# Allegro board WNS_FDM_2V1-1221P2.brd
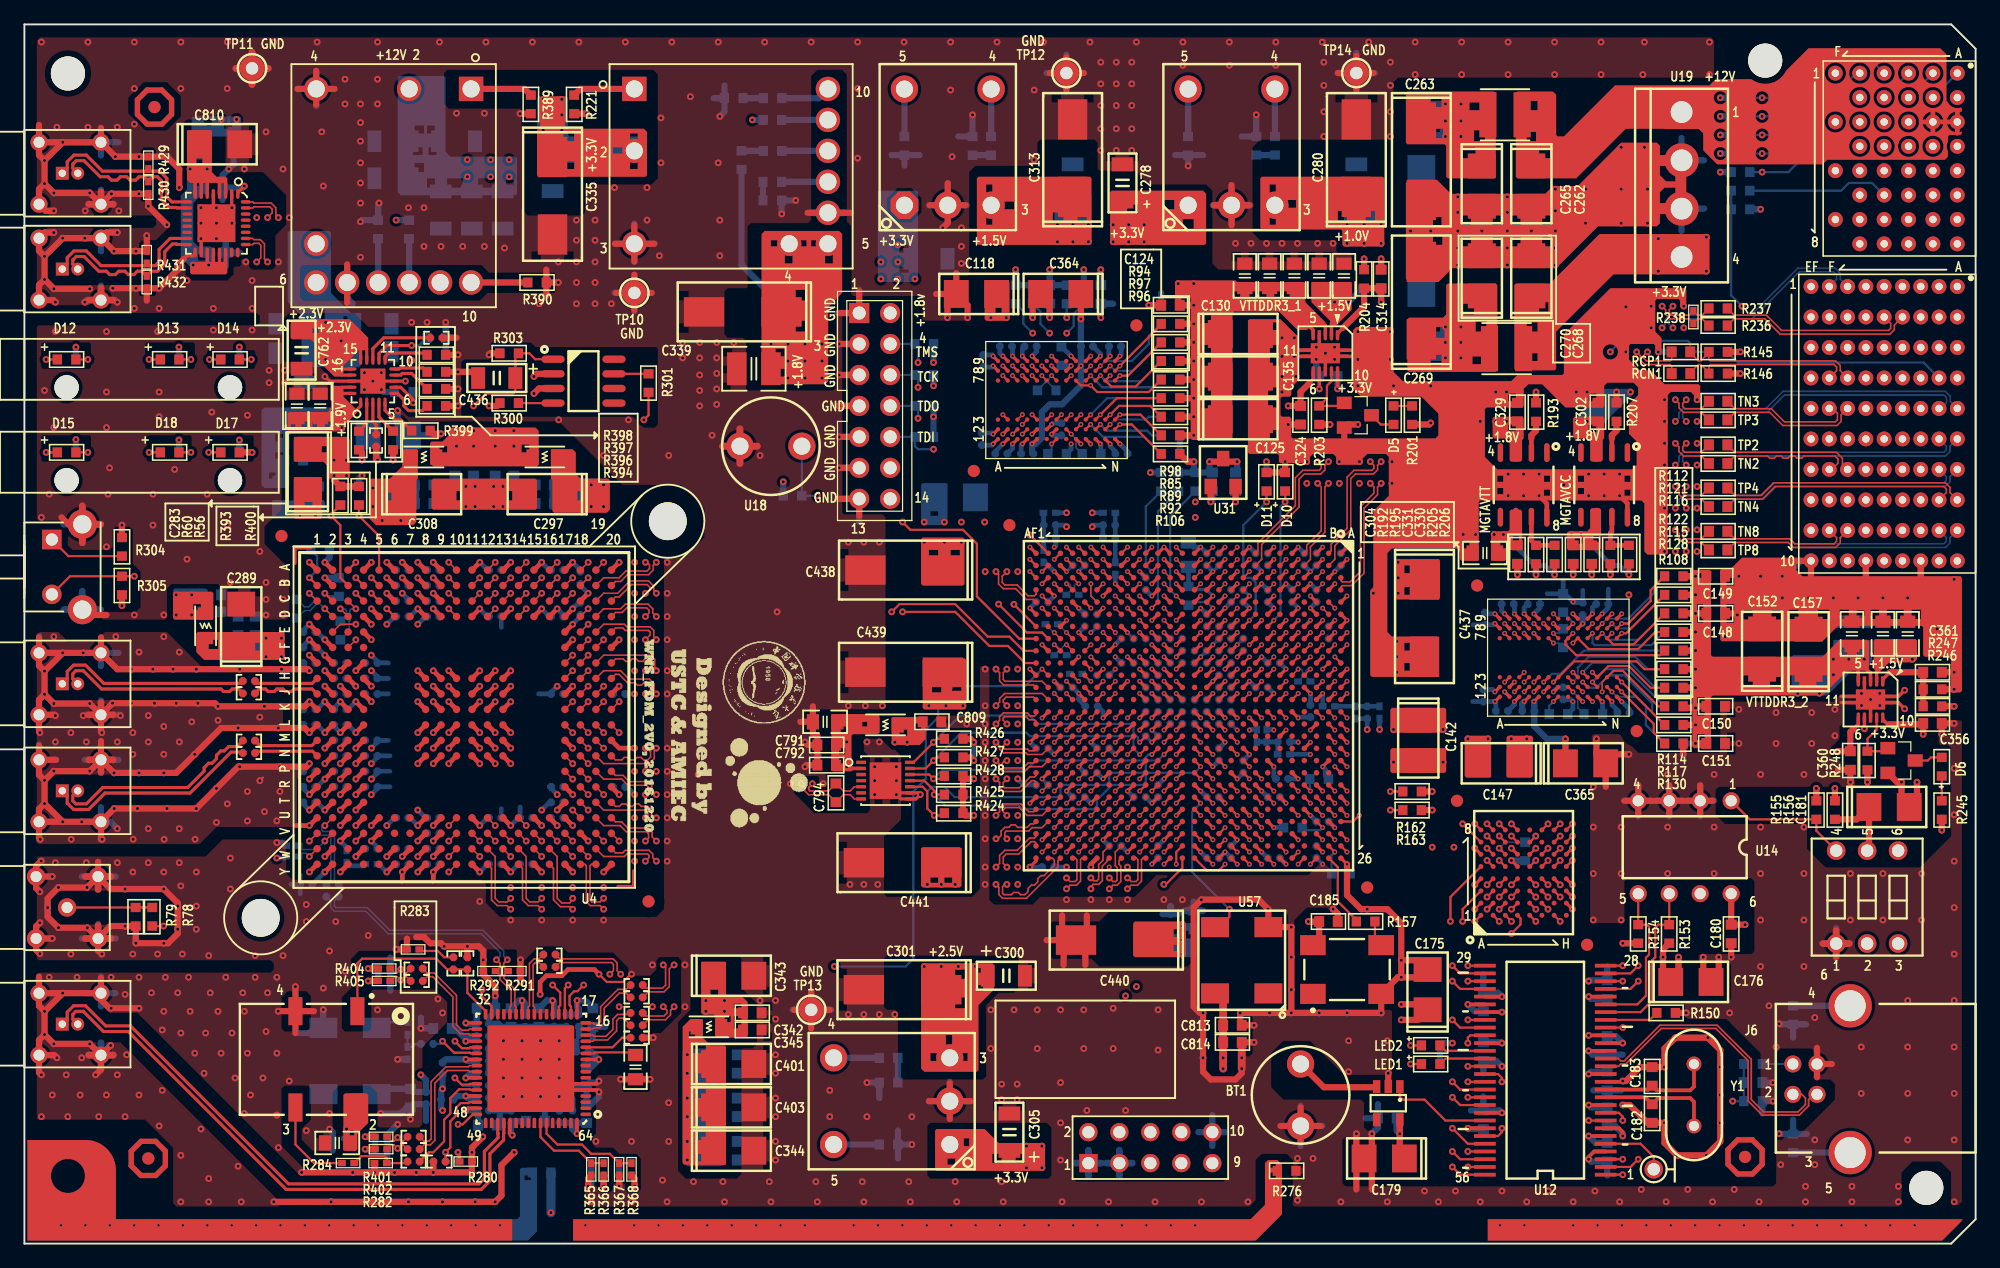
[diagram p0: board, top side]
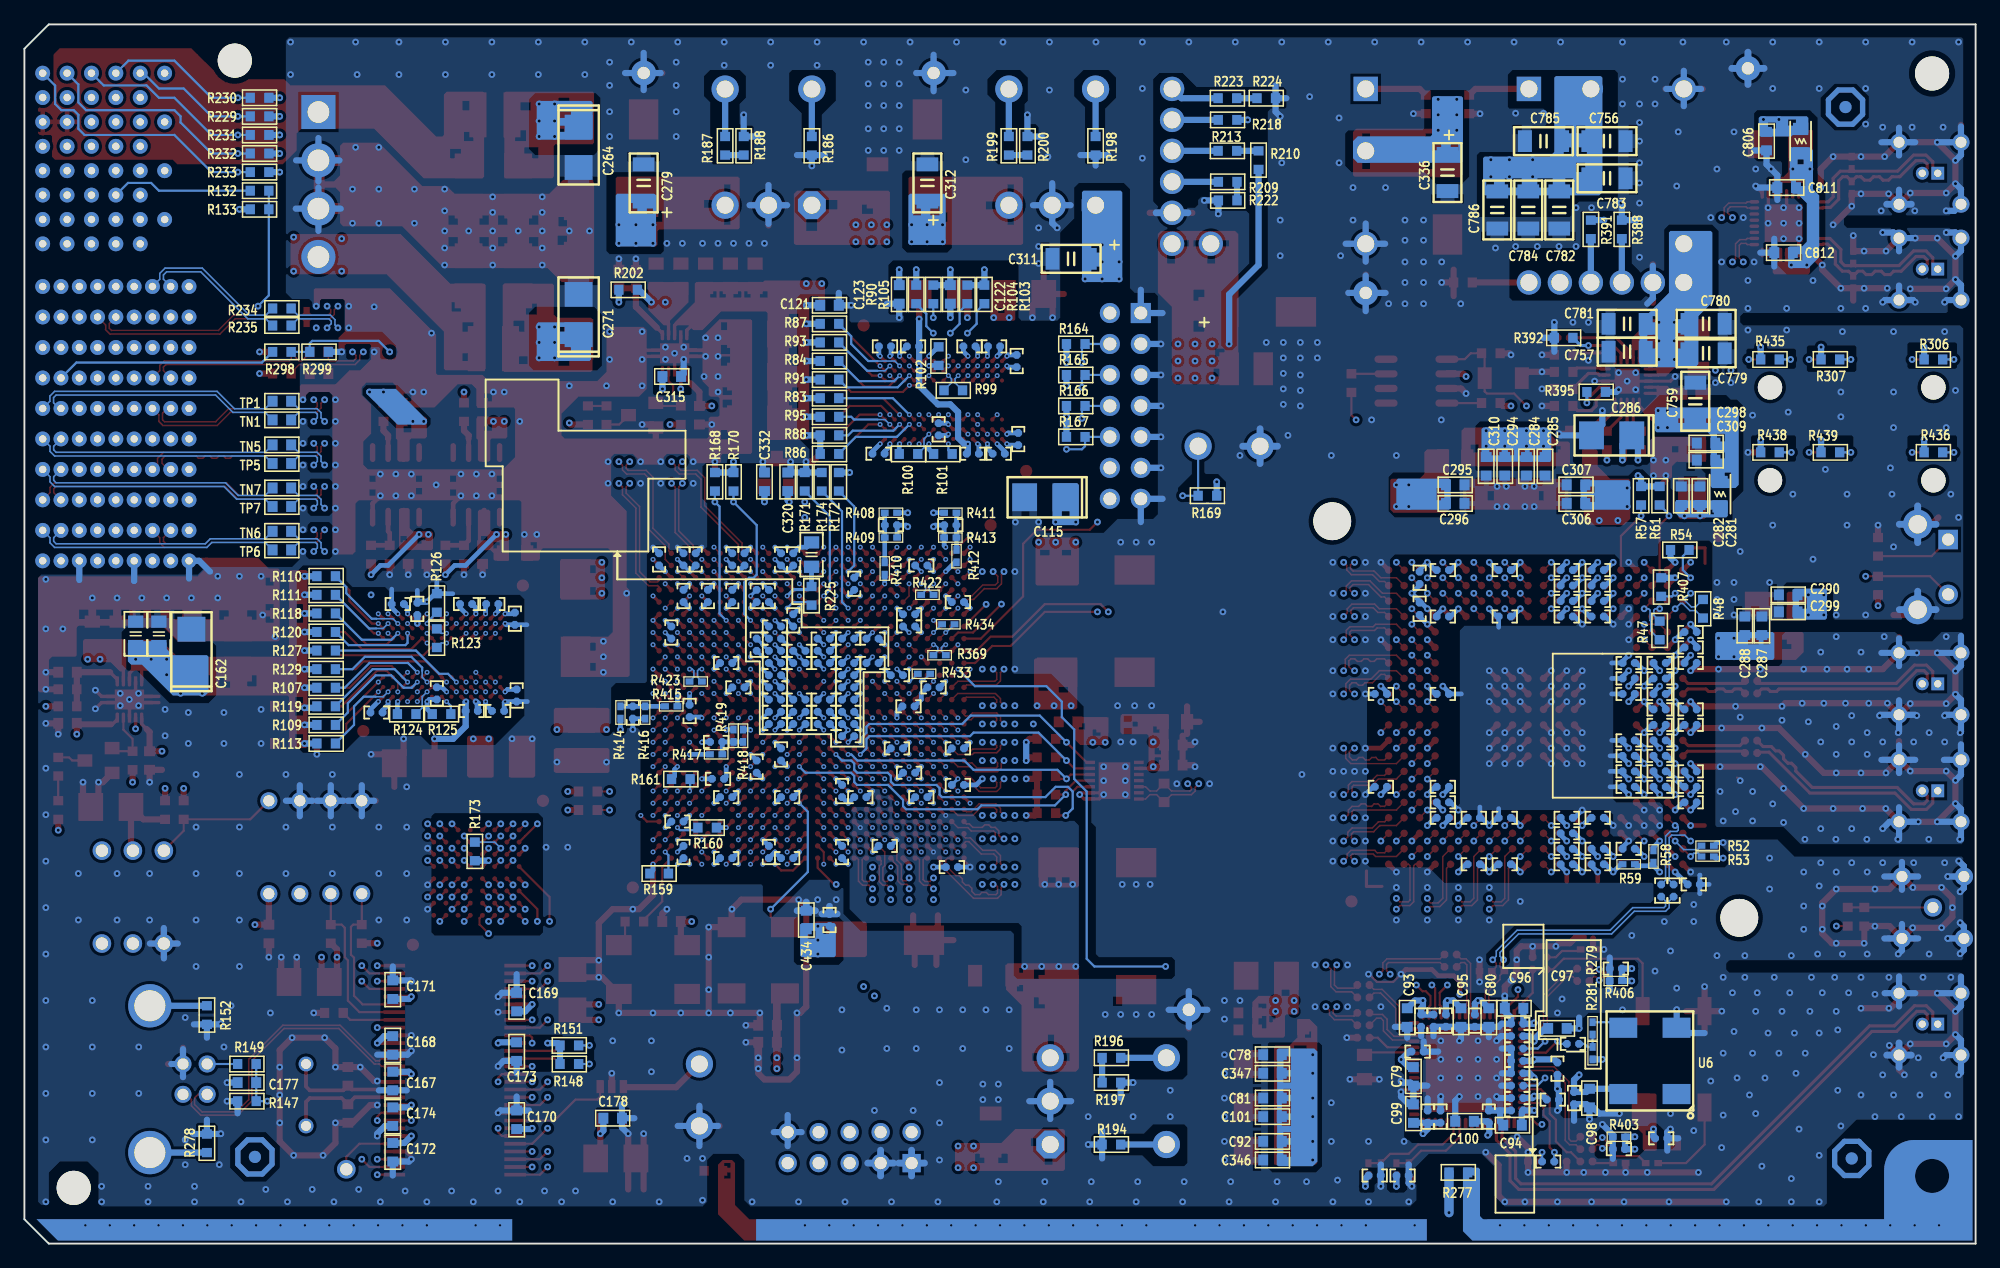
[diagram p1: board, bottom side, seen from below]

Outline 160 x 100 mm; copper layers: TOP, GND02, ART03, GND04, POWER05, POWER06, GND07, ART08, GND09, ART10, GND11, BOTTOM. Coordinates in mm from the lower left corner of the outline.
Outline path: 0,100 0,0 158,0 160,2 160,98 158,100 0,100

## Design rules (mm)
net group ADC_DQ: nets DQD_N0 DQD_P0
net group BANK16_DDR3_CLK+: nets BANK16_DDR3_CLK+ N18197770
net group BANK16_DDR3_CLK-: nets BANK16_DDR3_CLK- N18197765
net group BANK34_DDR3_CLK+: nets BANK34_DDR3_CLK+ N18197699
net group BANK34_DDR3_CLK-: nets BANK34_DDR3_CLK- N18197694
net group CLK+: nets CLK+ DCLKOUT6+
net group CLK-: nets CLK- DCLKOUT6-
net group DCLK_RST_DIFF: nets N2480027 N2480033
net group DCLKOUT4+: nets DCLKOUT4+ FPGA_CLK3+
net group DCLKOUT4-: nets DCLKOUT4- FPGA_CLK3-
net group DDR3_1_DATA: nets DDR3_1_DQSN DDR3_1_DQSP
net group DDR3_2_ADD: nets DDR3_2_CKN DDR3_2_CKP
net group DDR3_2_DATA: nets DDR3_2_DQSN DDR3_2_DQSP
net group DIFFPAIR4: nets ADC_TDIODE+ ADC_TDIODE-
net group DIFFPAIR5: nets CLK100_OUT+ CLK100_OUT-
net group DIFFPAIR6: nets PPS+ PPS-
net group DIFFPAIR7: nets SYNC_CLK_125M+ SYNC_CLK_125M-
net group DIFFPAIR8: nets N18454595 N18454598
net group DIFFPAIR9: nets N18454783 N18454786
net group DP2: nets N16810555 N16810557
net group FPGA_PETN0: nets FPGA_PETN0 PETN0
net group FPGA_PETN1: nets FPGA_PETN1 PETN1
net group FPGA_PETN2: nets FPGA_PETN2 PETN2
net group FPGA_PETN3: nets FPGA_PETN3 PETN3
net group FPGA_PETN4: nets FPGA_PETN4 PETN4
net group FPGA_PETN5: nets FPGA_PETN5 PETN5
net group FPGA_PETN6: nets FPGA_PETN6 PETN6
net group FPGA_PETN7: nets FPGA_PETN7 PETN7
net group FPGA_PETP0: nets FPGA_PETP0 PETP0
net group FPGA_PETP1: nets FPGA_PETP1 PETP1
net group FPGA_PETP2: nets FPGA_PETP2 PETP2
net group FPGA_PETP3: nets FPGA_PETP3 PETP3
net group FPGA_PETP4: nets FPGA_PETP4 PETP4
net group FPGA_PETP5: nets FPGA_PETP5 PETP5
net group FPGA_PETP6: nets FPGA_PETP6 PETP6
net group FPGA_PETP7: nets FPGA_PETP7 PETP7
net group FPGA_PXIE_DSTARB+: nets FPGA_PXIE_DSTARB+ PXIE_DSTARB+
net group FPGA_PXIE_DSTARB-: nets FPGA_PXIE_DSTARB- PXIE_DSTARB-
net group FPGA_PXIE_DSTARC+: nets FPGA_PXIE_DSTARC+ PXIE_DSTARC+
net group FPGA_PXIE_DSTARC-: nets FPGA_PXIE_DSTARC- PXIE_DSTARC-
net group FPGA_REFCLK+: nets FPGA_REFCLK+ REFCLK+
net group FPGA_REFCLK-: nets FPGA_REFCLK- REFCLK-
net group LMK04821_CLKIN1+: nets LMK04821_CLKIN1+ PXIE_CLK100+
net group LMK04821_CLKIN1-: nets LMK04821_CLKIN1- PXIE_CLK100-
net group LMK04821_CLKIN2+: nets LMK04821_CLKIN2+ PXIE_DSTARA+
net group LMK04821_CLKIN2-: nets LMK04821_CLKIN2- PXIE_DSTARA-
net group ORI: nets ORI_N ORI_P
net group ORQ: nets ORQ_N ORQ_P
net group REXT: nets N2479949 N2479955
net group RTRIM: nets N2479965 N2479971
net group VINI+: nets N18121616 VINI+
net group VINI-: nets N18121619 VINI-
net group VINQ+: nets N18121631 VINQ+
net group VINQ-: nets N18121634 VINQ-
net group ADC: nets DCLKI_N DCLKI_P DCLKQ_N DCLKQ_P DI_N0 DI_N1 DI_N2 DI_N3 DI_N4 DI_N5 DI_N6 DI_N7 DI_N8 DI_N9 DI_N10 DI_N11 DI_P0 DI_P1 DI_P2 DI_P3 DI_P4 DI_P5 DI_P6 DI_P7 DI_P8 DI_P9 DI_P10 DI_P11 DID_N0 DID_N1 DID_N2 DID_N3 DID_N4 DID_N5 DID_N6 DID_N7 DID_N8 DID_N9 DID_N10 DID_N11 DID_P0 DID_P1 DID_P2 DID_P3 DID_P4 DID_P5 DID_P6 DID_P7 DID_P8 DID_P9 DID_P10 DID_P11 DQ_N0 DQ_N1 DQ_N2 DQ_N3 DQ_N4 DQ_N5 DQ_N6 DQ_N7 DQ_N8 DQ_N9 DQ_N10 DQ_N11 DQ_P0 DQ_P1 DQ_P2 DQ_P3 DQ_P4 DQ_P5 DQ_P6 DQ_P7 DQ_P8 DQ_P9 DQ_P10 DQ_P11 DQD_N1 DQD_N2 DQD_N3 DQD_N4 DQD_N5 DQD_N6 DQD_N7 DQD_N8 DQD_N9 DQD_N10 DQD_N11 DQD_P1 DQD_P2 DQD_P3 DQD_P4 DQD_P5 DQD_P6 DQD_P7 DQD_P8 DQD_P9 DQD_P10 DQD_P11
net group PXIE: nets FPGA_PERN0 FPGA_PERN1 FPGA_PERN2 FPGA_PERN3 FPGA_PERN4 FPGA_PERN5 FPGA_PERN6 FPGA_PERN7 FPGA_PERP0 FPGA_PERP1 FPGA_PERP2 FPGA_PERP3 FPGA_PERP4 FPGA_PERP5 FPGA_PERP6 FPGA_PERP7

## Placement (name value [footprint] x y rotation side)
BT1  Button  [INDC2-200-M]  104.65 12.19 270 top
C18  0.1uF  [SC0402]  28.45 45.09 0 bottom
C19  0.1uF  [SC0402]  23.37 43.81 180 bottom
C20  0.1uF  [SC0402]  23.37 42.55 180 bottom
C21  0.1uF  [SC0402]  28.45 41.27 0 bottom
C22  0.1uF  [SC0402]  23.37 50.16 0 bottom
C23  0.1uF  [SC0402]  23.11 29.46 180 bottom
C24  0.1uF  [SC0402]  30.99 32.38 0 bottom
C25  0.1uF  [SC0402]  33.53 51.44 180 bottom
C26  0.1uF  [SC0402]  30.99 55.24 0 bottom
C27  0.1uF  [SC0402]  30.99 51.44 180 bottom
C28  0.1uF  [SC0402]  28.45 46.35 0 bottom
C29  0.1uF  [SC0402]  30.99 31.11 0 bottom
C30  0.1uF  [SC0402]  23.37 37.47 0 bottom
C31  0.1uF  [SC0402]  25.91 41.27 180 bottom
C32  0.1uF  [SC0402]  25.91 45.09 180 bottom
C33  0.1uF  [SC0402]  28.45 37.47 0 bottom
C34  0.1uF  [SC0402]  25.91 37.47 180 bottom
C35  0.1uF  [SC0402]  25.91 38.73 180 bottom
C36  0.1uF  [SC0402]  25.91 46.35 0 bottom
C37  0.1uF  [SC0402]  25.91 42.55 0 bottom
C38  0.1uF  [SC0402]  23.37 48.9 0 bottom
C39  0.1uF  [SC0402]  28.45 32.38 0 bottom
C40  0.1uF  [SC0402]  30.99 52.7 0 bottom
C41  0.1uF  [SC0402]  30.99 34.92 180 bottom
C42  0.1uF  [SC0402]  30.99 53.98 0 bottom
C43  0.1uF  [SC0402]  23.37 36.2 0 bottom
C44  0.1uF  [SC0402]  28.45 38.73 0 bottom
C45  0.1uF  [SC0402]  28.45 40.01 0 bottom
C46  0.1uF  [SC0402]  33.53 34.92 180 bottom
C47  0.1uF  [SC0402]  43.69 55.24 0 bottom
C48  0.1uF  [SC0402]  45.59 52.07 270 bottom
C49  0.1uF  [SC0402]  45.59 54.61 90 bottom
C50  0.1uF  [SC0402]  43.69 45.09 180 bottom
C51  0.1uF  [SC0402]  41.15 31.11 180 bottom
C52  0.1uF  [SC0402]  43.69 37.47 180 bottom
C53  0.1uF  [SC0402]  38.61 31.11 0 bottom
C54  0.1uF  [SC0402]  28.45 47.62 0 bottom
C55  0.1uF  [SC0402]  23.37 38.73 180 bottom
C56  0.1uF  [SC0402]  25.91 40.01 0 bottom
C57  0.1uF  [SC0402]  25.91 43.81 0 bottom
C58  0.1uF  [SC0402]  25.91 47.62 180 bottom
C59  0.1uF  [SC0402]  43.69 51.44 0 bottom
C60  0.1uF  [SC0402]  23.37 47.62 180 bottom
C61  0.1uF  [SC0402]  38.61 55.24 0 bottom
C62  0.1uF  [SC0402]  48.77 37.47 0 bottom
C63  0.1uF  [SC0402]  43.69 36.2 180 bottom
C64  0.1uF  [SC0402]  41.15 34.92 180 bottom
C65  0.1uF  [SC0402]  43.69 34.92 0 bottom
C66  0.1uF  [SC0402]  38.61 34.92 0 bottom
C67  0.1uF  [SC0402]  38.61 51.44 0 bottom
C68  0.1uF  [SC0402]  48.77 45.09 0 bottom
C69  0.1uF  [SC0402]  33.53 52.7 0 bottom
C70  0.1uF  [SC0402]  33.53 53.98 180 bottom
C71  0.1uF  [SC0402]  33.53 55.24 0 bottom
C72  0.1uF  [SC0402]  33.53 33.66 0 bottom
C73  0.1uF  [SC0402]  33.53 32.38 180 bottom
C74  0.1uF  [SC0402]  33.53 31.11 0 bottom
C75  1uF  [SC0402]  45.76 15.75 180 bottom
C76  0.01uF  [SC0402]  34.67 11.81 180 bottom
C78  1uF  [SC0603]  57.66 15.49 0 bottom
C79  100pF  [SC0603]  46.1 13.72 270 bottom
C80  0.1uF  [SC0603]  39.92 18.54 270 bottom
C81  1uF  [SC0603]  57.66 11.94 0 bottom
C82  0.01uF  [SC0402]  34.29 14.35 270 bottom
C92  100pF  [SC0603]  57.66 8.38 180 bottom
C93  100pF  [SC0603]  46.61 18.54 90 bottom
C94  100pF  [SC0603]  37.97 9.72 180 bottom
C95  100pF  [SC0603]  42.2 18.54 90 bottom
C96  100pF  [SC0603]  37.85 19.3 180 bottom
C97  100pF  [SC0603]  34.29 17.65 0 bottom
C98  100pF  [SC0603]  31.66 11.94 90 bottom
C99  100pF  [SC0603]  46.1 10.67 270 bottom
C100  100pF  [SC0603]  41.91 10.03 180 bottom
C101  100pF  [SC0603]  57.66 10.41 180 bottom
C111  0.1uF  [SC0402]  78.63 72.39 90 bottom
C112  0.1uF  [SC0402]  80.49 73.59 180 bottom
C113  0.1uF  [SC0402]  82.51 73.59 0 bottom
C114  0.1uF  [SC0402]  89.43 73.59 180 bottom
C115  10uF  [STC3528]  76.33 61.21 0 bottom
C116  0.1uF  [SC0402]  78.5 65.99 90 bottom
C117  0.1uF  [SC0402]  85.03 66.79 270 bottom
C118  10uF  [STC3528]  78.07 77.89 180 top
C119  0.1uF  [SC0402]  80.1 64.79 0 bottom
C120  0.1uF  [SC0402]  89.96 64.79 180 bottom
C121  0.1uF  [SC0603]  93.98 76.96 0 bottom
C122  0.1uF  [SC0603]  84.07 77.85 90 bottom
C123  0.1uF  [SC0603]  88.27 77.85 90 bottom
C124  0.1uF  [SC0603]  93.98 76.96 0 top
C125  10uF  [STC3528]  99.71 67.62 0 top
C130  10uF  [STC3528]  99.71 74.61 0 top
C135  10uF  [STC3528]  99.71 71.11 0 top
C136  0.1uF  [SC0402]  87.13 73.59 180 bottom
C137  0.1uF  [SC0402]  82.23 64.79 0 bottom
C138  0.1uF  [SC0402]  123.78 52.46 0 bottom
C139  0.1uF  [SC0402]  119.63 44.96 90 bottom
C140  0.1uF  [SC0402]  119.78 51.26 90 bottom
C141  0.1uF  [SC0402]  121.16 43.69 0 bottom
C142  10uF  [STC3528]  114.3 41.27 270 top
C143  0.1uF  [SC0402]  131.13 43.56 180 bottom
C144  0.1uF  [SC0402]  121.63 52.46 180 bottom
C145  0.1uF  [SC0402]  126.18 45.13 90 bottom
C146  0.1uF  [SC0402]  129.38 52.46 180 bottom
C147  10uF  [STC3528]  120.9 39.4 180 top
C148  0.1uF  [SC0603]  138.68 51.69 180 top
C149  0.1uF  [SC0603]  138.68 54.74 180 top
C150  0.1uF  [SC0603]  138.68 44.07 180 top
C151  0.1uF  [SC0603]  138.68 41.02 180 top
C152  10uF  [STC3528]  142.49 48.77 90 top
C157  10uF  [STC3528]  146.3 48.74 90 top
C162  10uF  [STC3528]  146.3 48.74 90 bottom
C163  0.1uF  [SC0402]  127.78 52.06 270 bottom
C164  0.1uF  [SC0402]  123.32 43.69 0 bottom
C167  0.1uF  [SC0603]  129.79 13.34 270 bottom
C168  0.1uF  [SC0603]  129.79 16.26 270 bottom
C169  0.1uF  [SC0603]  119.63 19.81 90 bottom
C170  0.1uF  [SC0603]  119.63 10.16 90 bottom
C171  0.1uF  [SC0603]  129.79 20.83 90 bottom
C172  0.1uF  [SC0603]  129.79 7.49 270 bottom
C173  0.1uF  [SC0603]  119.63 15.75 270 bottom
C174  0.1uF  [SC0603]  129.79 10.41 270 bottom
C175  10uF  [STC3528]  115.06 20.83 90 top
C176  10uF  [STC3528]  136.65 21.46 0 top
C177  0.1uF  [SC0603]  141.75 13.21 180 bottom
C178  0.1uF  [SC0603]  111.76 10.29 180 bottom
C179  10uF  [STC3528]  111.51 6.99 180 top
C180  0.1uF  [SC0603]  139.95 25.4 90 top
C181  2.2uF  [STC3528]  152.91 35.81 0 top
C182  12pF  [SC0603]  133.48 10.67 90 top
C183  12pF  [SC0603]  133.48 13.72 270 top
C184  0.1uF  [SC0402]  92.45 42.62 180 bottom
C185  1uF  [SC0603]  106.93 26.42 180 top
C186  0.1uF  [SC0402]  98.45 43.62 0 bottom
C187  0.1uF  [SC0402]  98.45 45.62 0 bottom
C188  0.1uF  [SC0402]  94.45 44.62 180 bottom
C189  0.1uF  [SC0402]  96.45 44.62 180 bottom
C190  0.1uF  [SC0402]  96.45 42.62 180 bottom
C191  0.1uF  [SC0402]  98.45 48.62 180 bottom
C192  0.1uF  [SC0402]  94.45 43.62 0 bottom
C193  0.1uF  [SC0402]  94.45 42.62 180 bottom
C194  0.1uF  [SC0402]  92.45 44.62 180 bottom
C195  0.1uF  [SC0402]  99.95 49.12 270 bottom
C196  0.1uF  [SC0402]  92.45 43.62 0 bottom
C197  0.1uF  [SC0402]  96.45 48.62 180 bottom
C198  0.1uF  [SC0402]  98.45 44.62 180 bottom
C199  0.1uF  [SC0402]  98.45 42.62 180 bottom
C200  0.1uF  [SC0402]  98.45 47.62 0 bottom
C201  0.1uF  [SC0402]  98.45 49.62 0 bottom
C202  0.1uF  [SC0402]  92.45 45.62 0 bottom
C203  0.1uF  [SC0402]  96.45 43.62 0 bottom
C205  0.1uF  [SC0402]  92.45 46.62 180 bottom
C206  0.1uF  [SC0402]  90.45 47.62 0 bottom
C207  0.1uF  [SC0402]  90.45 49.62 0 bottom
C208  0.1uF  [SC0402]  87.45 38.62 180 bottom
C209  0.1uF  [SC0402]  83.45 40.62 180 bottom
C210  0.1uF  [SC0402]  105.95 32.12 90 bottom
C211  0.1uF  [SC0402]  106.45 34.62 180 bottom
C212  0.1uF  [SC0402]  98.45 50.62 180 bottom
C213  0.1uF  [SC0402]  85.45 45.62 180 bottom
C214  0.1uF  [SC0402]  88.45 46.62 180 bottom
C215  0.1uF  [SC0402]  98.45 46.62 180 bottom
C216  0.1uF  [SC0402]  96.45 47.62 0 bottom
C217  0.1uF  [SC0402]  94.45 49.62 0 bottom
C218  0.1uF  [SC0402]  97.95 40.12 270 bottom
C219  0.1uF  [SC0402]  87.5 44.07 0 bottom
C220  0.1uF  [SC0402]  94.45 47.62 0 bottom
C221  0.1uF  [SC0402]  99.95 39.12 90 bottom
C222  0.1uF  [SC0402]  87.45 50.62 180 bottom
C223  0.1uF  [SC0402]  83.45 37.62 0 bottom
C224  0.1uF  [SC0402]  102.45 36.62 180 bottom
C225  0.1uF  [SC0402]  92.45 47.62 0 bottom
C227  0.1uF  [SC0402]  97.45 31.62 180 bottom
C233  0.1uF  [SC0402]  92.95 32.12 270 bottom
C239  0.1uF  [SC0402]  98.95 32.12 90 bottom
C245  0.1uF  [SC0402]  92.45 41.62 180 bottom
C246  0.1uF  [SC0402]  92.95 37.12 90 bottom
C248  0.1uF  [SC0402]  89.45 32.62 180 bottom
C249  0.1uF  [SC0402]  86.45 36.62 0 bottom
C250  0.1uF  [SC0402]  83.95 30.88 180 bottom
C251  0.1uF  [SC0402]  91.45 36.62 180 bottom
C262  10uF  [STC3528]  123.57 86.74 270 top
C263  100uF  [STC7343]  114.55 88.77 270 top
C264  10uF  [STC3528]  114.55 89.92 270 bottom
C265  10uF  [STC3528]  119.51 86.74 270 top
C268  10uF  [STC3528]  123.57 79.38 90 top
C269  100uF  [STC7343]  114.55 77.34 90 top
C270  10uF  [STC3528]  119.51 79.38 90 top
C271  10uF  [STC3528]  114.55 76.2 90 bottom
C278  47uF  [SC1206]  90.04 87 90 top
C279  47uF  [SC1206]  109.22 87 90 bottom
C280  47uF  [STC7343]  109.22 89.03 90 top
C281  0.1uF  [SC0603]  22.61 61.34 90 bottom
C282  1uF  [SC0603]  24.13 61.34 90 bottom
C283  10uF  [STC3528]  23.24 63.5 90 top
C284  0.1uF  [SC0603]  36.83 63.75 270 bottom
C285  1uF  [SC0603]  35.31 63.75 270 bottom
C286  10uF  [STC3528]  29.84 66.29 0 bottom
C287  0.1uF  [SC0603]  17.53 50.67 90 bottom
C288  1uF  [SC0603]  18.92 50.67 90 bottom
C289  10uF  [STC3528]  17.78 50.8 90 top
C290  0.1uF  [SC0603]  15.37 53.21 0 bottom
C294  1uF  [SC0603]  38.61 63.75 270 bottom
C295  0.1uF  [SC0603]  42.67 62.23 180 bottom
C296  1uF  [SC0603]  42.67 60.71 180 bottom
C297  10uF  [STC3528]  42.67 61.47 180 top
C298  0.1uF  [SC0603]  22.1 65.66 0 bottom
C299  1uF  [SC0603]  15.37 51.82 0 bottom
C300  47uF  [SC1206]  80.52 21.97 0 top
C301  47uF  [STC7343]  72.01 20.83 180 top
C302  4.7uF  [SC0603]  129.03 68.2 90 top
C303  10uF  [SC0805]  119.76 56.64 180 top
C304  0.1uF  [SC0603]  122.43 56.52 270 top
C305  47uF  [SC1206]  80.77 9.14 90 top
C306  0.1uF  [SC0603]  32.77 60.71 0 bottom
C307  1uF  [SC0603]  32.77 62.23 0 bottom
C308  10uF  [STC3528]  32.77 61.47 0 top
C309  0.1uF  [SC0603]  22.1 64.26 0 bottom
C310  1uF  [SC0603]  40.13 63.75 270 bottom
C311  47uF  [SC1206]  74.17 80.77 0 bottom
C312  47uF  [SC1206]  85.95 87 90 bottom
C313  47uF  [STC7343]  85.95 89.03 90 top
C314  1nF  [SC0603]  111.25 79.12 90 top
C315  4.7uF  [SC0603]  106.92 71.12 180 bottom
C316  10uF  [SC0805]  108.2 79.38 90 top
C317  10uF  [SC0805]  106.17 79.38 90 top
C318  220pF  [SC0402]  96.95 56.12 90 bottom
C319  220pF  [SC0402]  105.95 56.12 90 bottom
C320  1uF  [SC0603]  97.41 62.48 90 bottom
C321  10uF  [SC0805]  104.14 79.38 90 top
C322  10uF  [SC0805]  102.11 79.38 90 top
C323  10uF  [SC0805]  100.08 79.38 90 top
C324  0.1uF  [SC0603]  104.65 67.94 270 top
C325  220pF  [SC0402]  105.95 53.12 90 bottom
C326  220pF  [SC0402]  103.95 53.12 90 bottom
C327  220pF  [SC0402]  101.95 53.12 90 bottom
C328  220pF  [SC0402]  98.95 53.12 90 bottom
C329  4.7uF  [SC0603]  122.43 68.2 90 top
C330  10uF  [SC0603]  128.52 56.52 270 top
C331  10uF  [SC0603]  127 56.52 270 top
C332  1uF  [SC0603]  99.31 62.48 90 bottom
C333  220pF  [SC0402]  96.95 51.12 270 bottom
C335  330uF  [STC7343]  43.31 85.94 270 top
C336  22uF  [SC1206]  43.31 87.85 270 bottom
C339  150uF  [STC7343]  58.91 76.42 180 top
C340  100uF  [SC1210]  59.82 71.75 180 top
C341  10uF  [SC0805]  95.45 56.52 270 bottom
C342  1uF  [SC0603]  59.69 18.92 0 top
C343  10uF  [STC3528]  58.17 21.97 0 top
C344  10uF  [STC3528]  58.17 7.62 0 top
C345  0.1uF  [SC0603]  59.69 17.53 0 top
C346  0.1uF  [SC0603]  57.66 6.86 0 bottom
C347  1uF  [SC0603]  57.66 13.97 0 bottom
C356  4.7uF  [SC0603]  156.46 42.67 0 top
C357  10uF  [SC0805]  149.86 50.01 90 top
C358  10uF  [SC0805]  150.88 50.01 90 bottom
C359  10uF  [SC0805]  148.97 50.01 90 bottom
C360  0.1uF  [SC0603]  149.73 39.62 270 top
C361  1nF  [SC0603]  156.46 46.86 0 top
C362  10uF  [SC0805]  154.43 50.01 90 top
C363  10uF  [SC0805]  152.4 50.01 90 top
C364  10uF  [STC3528]  84.98 77.89 180 top
C365  10uF  [STC3528]  128.02 39.4 0 top
C366  0.1uF  [SC0402]  94.45 48.62 180 bottom
C367  0.1uF  [SC0402]  92.45 49.62 0 bottom
C368  0.1uF  [SC0402]  88.45 40.62 0 bottom
C369  0.1uF  [SC0402]  97.45 36.62 0 bottom
C370  0.1uF  [SC0402]  102.45 31.62 0 bottom
C371  0.1uF  [SC0402]  103.12 38.12 0 bottom
C374  0.1uF  [SC0402]  91.95 54.12 90 bottom
C377  0.1uF  [SC0402]  102.45 47.62 180 bottom
C379  0.1uF  [SC0402]  106.95 50.12 270 bottom
C380  0.1uF  [SC0402]  83.45 52.62 180 bottom
C381  0.1uF  [SC0402]  105.45 43.69 90 bottom
C384  0.1uF  [SC0402]  87.45 51.62 180 bottom
C385  0.1uF  [SC0402]  101.45 45.62 0 bottom
C391  0.1uF  [SC0402]  86.45 55.62 180 bottom
C392  220pF  [SC0402]  97.95 56.12 90 bottom
C393  220pF  [SC0402]  107.95 56.12 90 bottom
C394  220pF  [SC0402]  101.95 56.12 90 bottom
C395  220pF  [SC0402]  104.95 56.12 90 bottom
C396  220pF  [SC0402]  100.95 56.12 90 bottom
C397  220pF  [SC0402]  99.95 53.12 90 bottom
C401  10uF  [STC3528]  58.17 14.73 0 top
C403  10uF  [STC3528]  58.17 11.18 0 top
C406  0.1uF  [SC0402]  44.93 10.41 270 bottom
C407  0.1uF  [SC0402]  37.59 10.92 180 bottom
C408  3.3nF  [SC0402]  35.05 6.73 0 bottom
C409  0.1uF  [SC0402]  43.88 10.41 270 bottom
C410  0.1uF  [SC0402]  50.2 16.89 180 top
C411  10uF  [SC0805]  50.11 14.48 90 top
C412  0.68uF  [SC0402]  35.18 22.99 270 top
C413  0.1uF  [SC0402]  33.02 16.38 0 bottom
C414  0.1uF  [SC0402]  45.47 18.29 90 bottom
C415  0.1uF  [SC0402]  37.59 12.95 0 bottom
C416  0.1uF  [SC0402]  37.59 16 180 bottom
C417  47pF  [SC0402]  34.04 6.73 180 top
C418  0.1uF  [SC0402]  37.59 11.94 180 bottom
C419  0.1uF  [SC0402]  31.92 6.73 180 top
C420  0.1uF  [SC0402]  44.45 18.29 90 bottom
C421  0.1uF  [SC0402]  36.32 22.99 270 top
C422  0.1uF  [SC0402]  43.43 18.29 90 bottom
C423  0.1uF  [SC0402]  37.59 13.97 180 bottom
C424  0.1uF  [SC0402]  32.93 11.94 90 bottom
C425  10uF  [SC0805]  25.65 8.26 0 top
C426  0.1uF  [SC0402]  25.78 8.64 180 bottom
C427  0.1uF  [SC0402]  49.28 5.59 0 bottom
C430  0.1uF  [SC0402]  37.59 18.03 180 bottom
C431  0.1uF  [SC0402]  37.59 17.02 180 bottom
C432  0.1uF  [SC0402]  25.78 28.96 270 bottom
C433  0.1uF  [SC0402]  24.77 28.96 270 bottom
C434  1uF  [SC0603]  95.89 26.54 90 bottom
C435  0.01uF  [SC0402]  93.98 26.54 90 bottom
C436  22uF  [SC1206]  38.73 70.99 180 top
C437  330uF  [STC7343]  114.81 51.31 270 top
C438  330uF  [STC7343]  72.14 55.24 180 top
C439  330uF  [STC7343]  72.14 46.86 180 top
C440  330uF  [STC7343]  89.41 24.89 180 top
C441  330uF  [STC7343]  72.01 31.24 180 top
C447  0.1uF  [SC0402]  46.99 5.59 180 bottom
C448  0.01uF  [SC0402]  37.59 14.99 0 bottom
C449  0.1uF  [SC0402]  39.92 10.41 90 bottom
C450  0.01uF  [SC0402]  41.06 18.29 270 bottom
C453  0.1uF  [SC0402]  43.05 23.71 180 top
C454  0.1uF  [SC0402]  43.05 22.69 180 top
C756  22uF  [SC1206]  30.23 90.42 180 bottom
C757  47uF  [SC1206]  28.57 73.15 0 bottom
C758  0.01uF  [SC0402]  28.84 65.87 90 top
C759  47uF  [SC1206]  22.99 69.09 90 bottom
C760  10uF  [SC0805]  24.26 68.71 90 top
C761  10uF  [SC0805]  22.35 68.71 90 top
C762  47uF  [SC1206]  22.73 73.28 270 top
C763  0.01uF  [SC0402]  33.78 74.3 0 top
C764  0.1uF  [SC0402]  29.25 7.75 0 bottom
C765  0.1uF  [SC0402]  31.92 8.76 180 top
C766  0.1uF  [SC0402]  31.92 7.75 180 top
C767  0.1uF  [SC0402]  29.5 22.56 0 bottom
C768  0.1uF  [SC0402]  32.17 22.56 180 top
C769  0.1uF  [SC0402]  32.17 21.54 180 top
C770  0.1uF  [SC0402]  18.41 46.14 0 top
C771  0.1uF  [SC0402]  18.41 45.13 0 top
C772  0.1uF  [SC0402]  18.41 40.24 0 top
C773  0.1uF  [SC0402]  18.41 41.26 0 top
C774  1nF  [SC0402]  88.95 58.93 0 bottom
C775  1nF  [SC0402]  84.07 58.93 180 bottom
C776  1nF  [SC0402]  110.11 43.56 90 bottom
C777  1nF  [SC0402]  103.28 41.15 180 bottom
C779  47uF  [SC1206]  22.1 73.03 180 bottom
C780  47uF  [SC1206]  22.1 75.44 180 bottom
C781  47uF  [SC1206]  28.57 75.44 0 bottom
C782  47uF  [SC1206]  34.14 84.78 270 bottom
C783  47uF  [SC1206]  30.23 87.38 180 bottom
C784  47uF  [SC1206]  36.68 84.78 270 bottom
C785  47uF  [SC1206]  35.43 90.42 0 bottom
C786  47uF  [SC1206]  39.22 84.78 270 bottom
C787  0.1uF  [SC0402]  50.2 17.91 0 top
C788  0.1uF  [SC0402]  50.2 18.92 0 top
C789  0.1uF  [SC0402]  50.2 20.19 0 top
C790  0.1uF  [SC0402]  50.2 21.21 0 top
C791  100pF  [SC0603]  65.79 40.89 180 top
C792  0.1uF  [SC0603]  65.79 39.24 180 top
C793  10uF  [SC0805]  65.66 42.8 180 top
C794  100pF  [SC0603]  66.55 36.97 90 top
C806  0.1uF  [SC0603]  17.14 90.42 270 bottom
C809  0.1uF  [SC0603]  74.42 42.8 0 top
C810  10uF  [STC3528]  16 90.17 0 top
C811  0.1uF  [SC0603]  15.49 86.61 0 bottom
C812  1uF  [SC0603]  15.75 81.28 0 bottom
C813  1uF  [SC0603]  99.06 17.91 180 top
C814  0.1uF  [SC0603]  99.06 16.51 180 top
D5  RED  [SD0603]  112.27 67.94 270 top
D6  RED  [SD0603]  157.23 39.12 90 top
D10  YEL  [SD0603]  103.38 62.48 90 top
D11  GRN  [SD0603]  101.85 62.48 90 top
D12  RED  [SD0603]  3.46 72.52 0 top
D13  RED  [SD0603]  11.91 72.52 0 top
D14  RED  [SD0603]  16.86 72.52 0 top
D15  RED  [SD0603]  3.46 64.9 0 top
D17  RED  [SD0603]  16.86 64.9 0 top
D18  RED  [SD0603]  11.91 64.9 0 top
J4  lemo_s  [CON-BNC-SD]  3.5 27.57 180 top
J6  USB_B  [MJ4-SR-1]  145.01 14.73 90 top
J7  -  [JTAG_14A]  69.72 68.71 270 top
J8  LEMO00_d  [EPG_00_302_HLN]  3.74 45.91 180 top
J9  LEMO00_d  [EPG_00_302_HLN]  3.74 37.14 180 top
J11  LEMO00_d  [EPG_00_302_HLN]  3.74 18 180 top
J14  Test_port  [CONNECTOR_254_40_10]  87.25 6.6 0 top
J15  LEMO00_d  [EPG_00_302_HLN]  3.74 87.79 180 top
J16  LEMO00_d  [EPG_00_302_HLN]  3.74 79.93 180 top
L10  Ferrite  [XAL4020]  121.41 92.58 180 top
L12  Ferrite  [XAL4020]  121.54 73.41 180 top
L14  Ferrite  [SL0805]  20.95 61.47 90 bottom
L15  Ferrite  [SL0805]  14.86 50.67 90 top
L16  Ferrite  [SL0805]  42.67 64.52 180 top
L17  Ferrite  [SL0805]  32.77 64.52 0 top
L18  Ferrite  [SL0805]  56.13 17.78 0 top
L20  Ferrite  [SL0805]  70.61 42.55 180 top
L21  Ferrite  [SL0805]  14.35 90.42 90 bottom
LED1  Green  [SD0603]  115.32 14.73 0 top
LED2  Yellow  [SD0603]  115.32 16.26 0 top